# KiCad board Keyboard.kicad_pcb
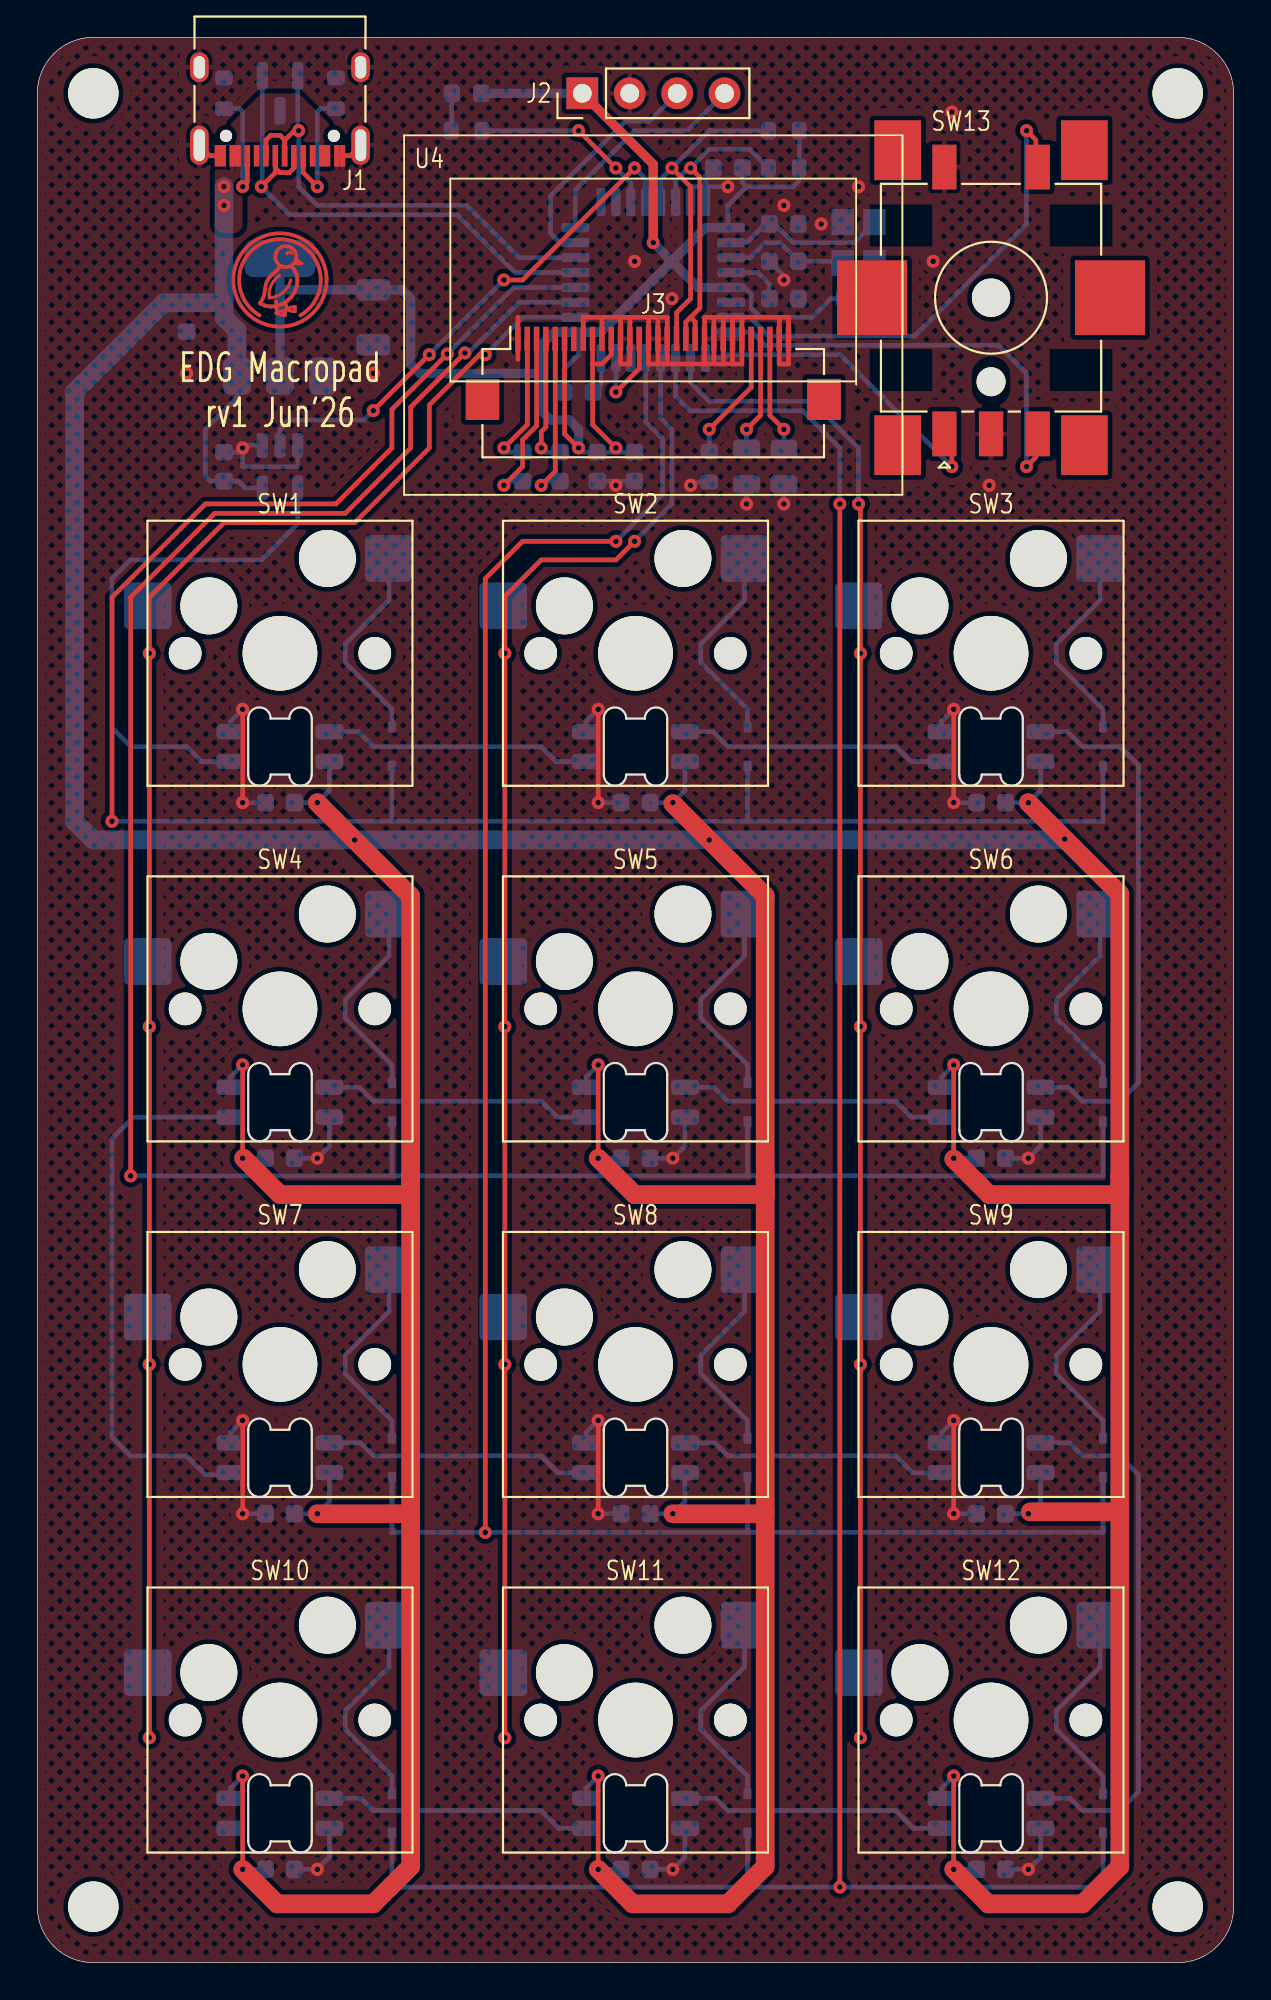
[diagram p0: board, top side]
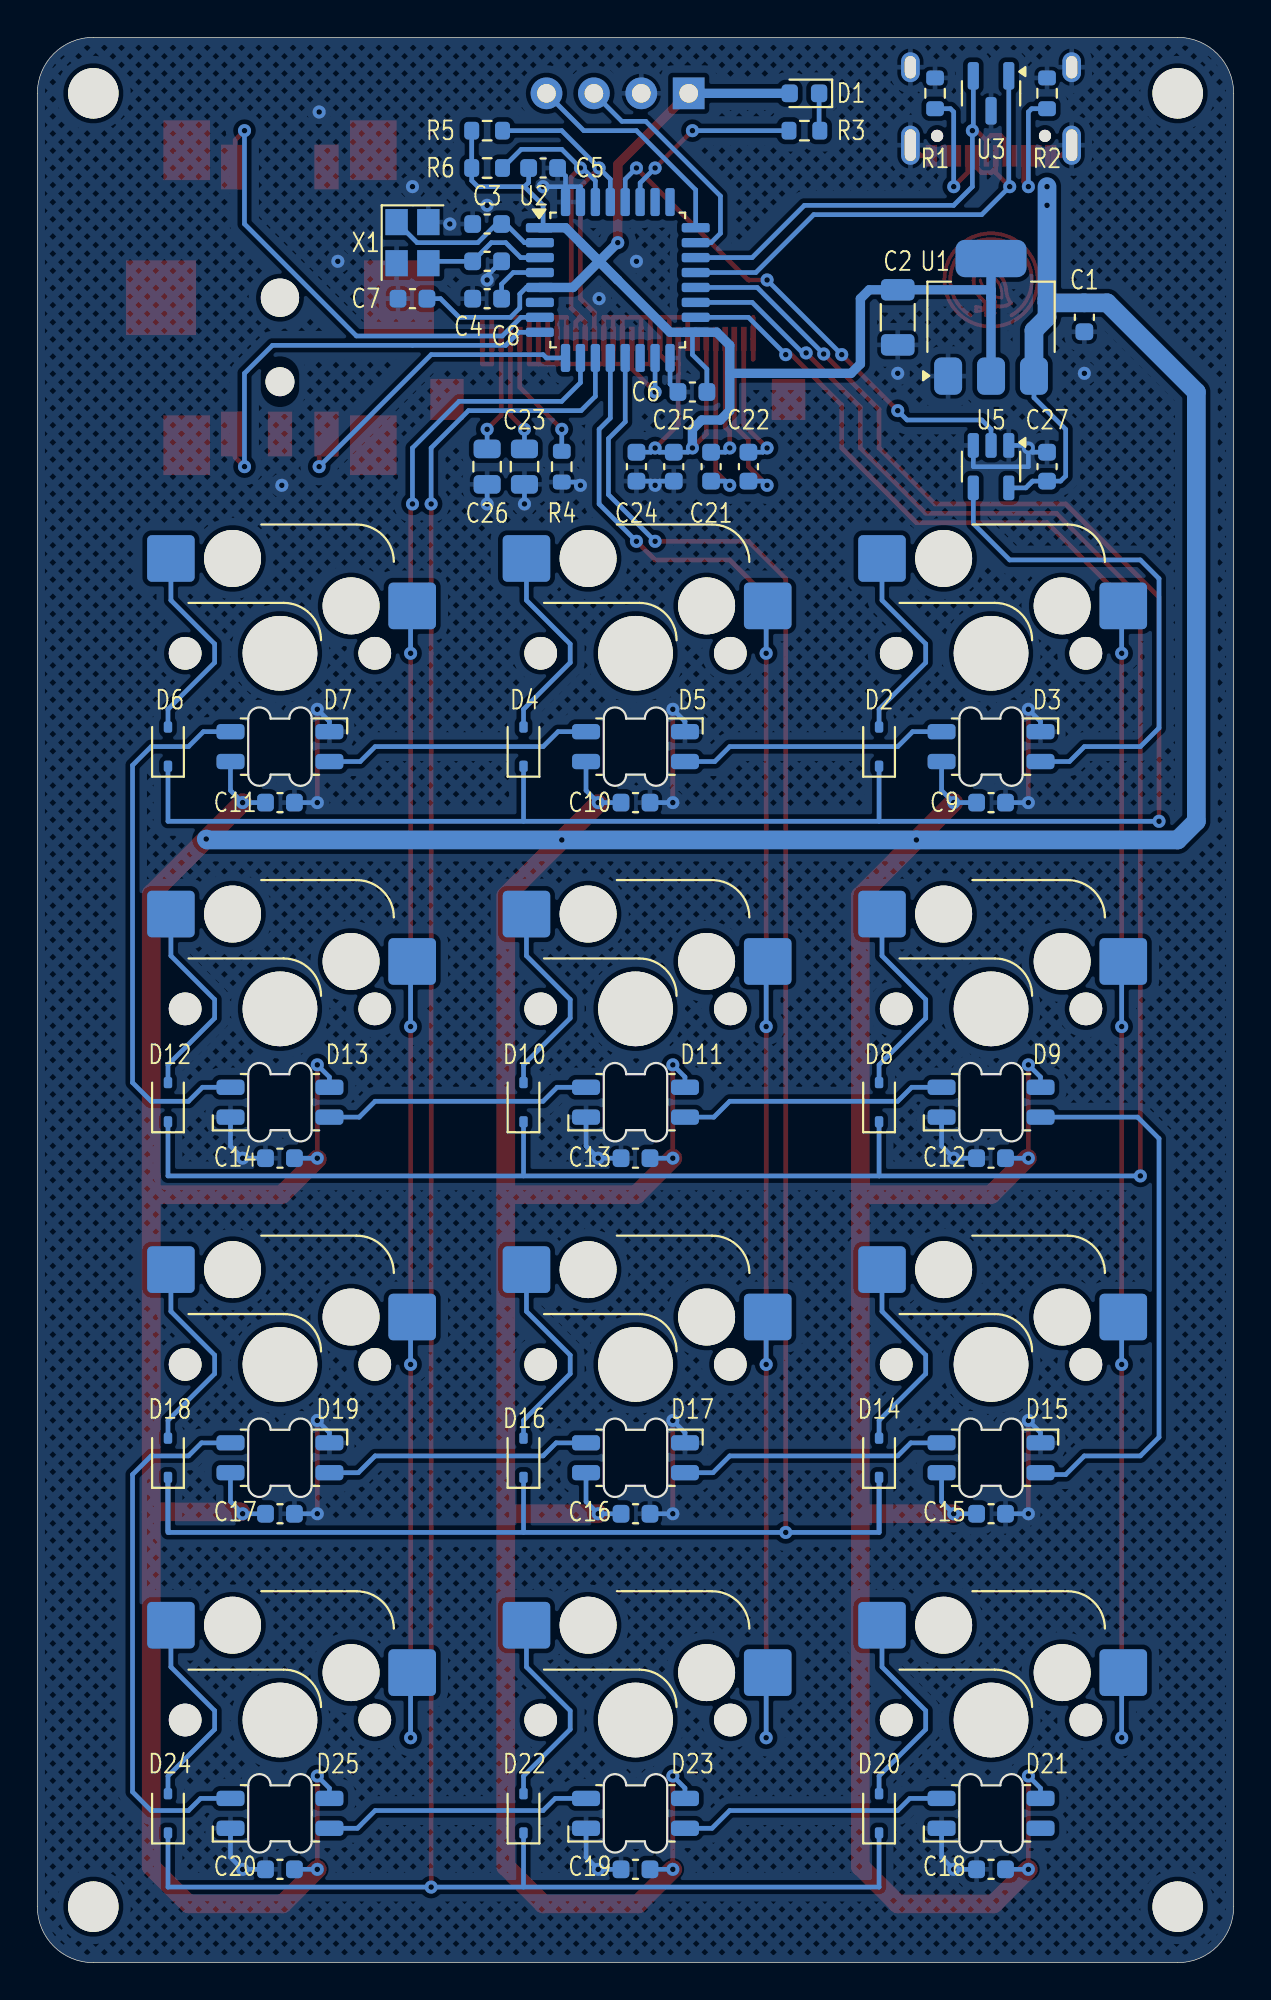
[diagram p1: board, bottom side, seen from below]

Outline 64.1 x 103.15 mm; copper layers: Front, Back. Coordinates in mm from the lower left corner of the outline.
Outline path: 0,100.15 0,3 arc(0.88,0.88) 3,0 61.1,0 arc(63.22,0.88) 64.1,3 64.1,100.15 arc(63.22,102.27) 61.1,103.15 3,103.15 arc(0.88,102.27) 0,100.15
Stack: Front 0.035mm / dielectric 1.51mm FR4 er 4.5 / Back 0.035mm

## Placement (name value [footprint] x y rotation side)
C1  reg.in_cap  [C_0603_1608Metric]  8 88.15 270 bottom
C2  reg.out_cap  [C_1206_3216Metric]  18 88.15 270 bottom
C3  mcu.crystal.cap_a  [C_0603_1608Metric]  40 93.15 0 bottom
C4  mcu.crystal.cap_b  [C_0603_1608Metric]  40 91.15 180 bottom
C5  mcu.vdd_cap[0]  [C_0603_1608Metric]  37 96.15 180 bottom
C6  mcu.vdd_cap[1]  [C_0603_1608Metric]  29 84.15 0 bottom
C7  mcu.vdda_cap  [C_0603_1608Metric]  44 89.15 0 bottom
C8  mcu.reset_cap  [C_0603_1608Metric]  40 89.15 0 bottom
C9  sw.sw[0,0].npx.cap  [C_0603_1608Metric]  13 62.15 180 bottom
C10  sw.sw[1,0].npx.cap  [C_0603_1608Metric]  32.05 62.15 180 bottom
C11  sw.sw[2,0].npx.cap  [C_0603_1608Metric]  51.1 62.15 180 bottom
C12  sw.sw[0,1].npx.cap  [C_0603_1608Metric]  13 43.1 0 bottom
C13  sw.sw[1,1].npx.cap  [C_0603_1608Metric]  32.05 43.1 0 bottom
C14  sw.sw[2,1].npx.cap  [C_0603_1608Metric]  51.1 43.1 0 bottom
C15  sw.sw[0,2].npx.cap  [C_0603_1608Metric]  13 24.05 180 bottom
C16  sw.sw[1,2].npx.cap  [C_0603_1608Metric]  32.05 24.05 180 bottom
C17  sw.sw[2,2].npx.cap  [C_0603_1608Metric]  51.1 24.05 180 bottom
C18  sw.sw[0,3].npx.cap  [C_0603_1608Metric]  13 5 0 bottom
C19  sw.sw[1,3].npx.cap  [C_0603_1608Metric]  32.05 5 0 bottom
C20  sw.sw[2,3].npx.cap  [C_0603_1608Metric]  51.1 5 0 bottom
C21  oled.c1_cap  [C_0603_1608Metric]  28 80.15 270 bottom
C22  oled.c2_cap  [C_0603_1608Metric]  26 80.15 270 bottom
C23  oled.vcomh_cap  [C_0805_2012Metric]  38 80.15 270 bottom
C24  oled.vdd_cap1  [C_0603_1608Metric]  32 80.15 270 bottom
C25  oled.vbat_cap  [C_0603_1608Metric]  30 80.15 270 bottom
C26  oled.vcc_cap  [C_0805_2012Metric]  40 80.15 270 bottom
C27  npx_shift.vdd_cap  [C_0603_1608Metric]  10 80.15 90 bottom
D1  ledr.package  [LED_0603_1608Metric]  23 100.15 0 bottom
D2  sw.sw[0,0].d  [D_SOD-323]  19 65.15 90 bottom
D3  sw.sw[0,0].npx.device  [LED_SK6812MINI-E]  13 65.15 180 top
D4  sw.sw[1,0].d  [D_SOD-323]  38.05 65.15 90 bottom
D5  sw.sw[1,0].npx.device  [LED_SK6812MINI-E]  32.05 65.15 180 top
D6  sw.sw[2,0].d  [D_SOD-323]  57.1 65.15 90 bottom
D7  sw.sw[2,0].npx.device  [LED_SK6812MINI-E]  51.1 65.15 180 top
D8  sw.sw[0,1].d  [D_SOD-323]  19 46.1 90 bottom
D9  sw.sw[0,1].npx.device  [LED_SK6812MINI-E]  13 46.1 0 top
D10  sw.sw[1,1].d  [D_SOD-323]  38.05 46.1 90 bottom
D11  sw.sw[1,1].npx.device  [LED_SK6812MINI-E]  32.05 46.1 0 top
D12  sw.sw[2,1].d  [D_SOD-323]  57.1 46.1 90 bottom
D13  sw.sw[2,1].npx.device  [LED_SK6812MINI-E]  51.1 46.1 0 top
D14  sw.sw[0,2].d  [D_SOD-323]  19 27.05 90 bottom
D15  sw.sw[0,2].npx.device  [LED_SK6812MINI-E]  13 27.05 180 top
D16  sw.sw[1,2].d  [D_SOD-323]  38.05 27.05 90 bottom
D17  sw.sw[1,2].npx.device  [LED_SK6812MINI-E]  32.05 27.05 180 top
D18  sw.sw[2,2].d  [D_SOD-323]  57.1 27.05 90 bottom
D19  sw.sw[2,2].npx.device  [LED_SK6812MINI-E]  51.1 27.05 180 top
D20  sw.sw[0,3].d  [D_SOD-323]  19 8 90 bottom
D21  sw.sw[0,3].npx.device  [LED_SK6812MINI-E]  13 8 0 top
D22  sw.sw[1,3].d  [D_SOD-323]  38.05 8 90 bottom
D23  sw.sw[1,3].npx.device  [LED_SK6812MINI-E]  32.05 8 0 top
D24  sw.sw[2,3].d  [D_SOD-323]  57.1 8 90 bottom
D25  sw.sw[2,3].npx.device  [LED_SK6812MINI-E]  51.1 8 0 top
duck  G***  [Symbol_Duckling]  13 90.15 0 top
J1  usb.conn  [USB_C_Receptacle_XKB_U262-16XN-4BVC11]  13 100.48 180 top
J2  mcu.sdi  [PinHeader_1x04_P2.54mm_Vertical]  29.2 100.15 90 top
J3  oled.device  [Hirose_FH12-30S-0.5SH_1x30-1MP_P0.50mm_Horizontal]  33 85.15 0 top
R1  usb.cc_pull.cc1  [R_0603_1608Metric]  16 100.15 270 bottom
R2  usb.cc_pull.cc2  [R_0603_1608Metric]  10 100.15 270 bottom
R3  ledr.res  [R_0603_1608Metric]  23 98.15 0 bottom
R4  oled.iref_res  [R_0603_1608Metric]  36 80.15 90 bottom
R5  i2c_pull.scl_res  [R_0603_1608Metric]  40 98.15 180 bottom
R6  i2c_pull.sda_res  [R_0603_1608Metric]  40 96.15 180 bottom
REF**  -  [MountingHole_2.7mm_M2.5]  3 3 90 top
REF**#2  -  [MountingHole_2.7mm_M2.5]  61.1 100.15 270 top
REF**#3  -  [MountingHole_2.7mm_M2.5]  3 100.15 0 top
REF**#4  -  [MountingHole_2.7mm_M2.5]  61.1 3 0 top
SW1  sw.sw[0,0].sw  [SW_Hotswap_Kailh_MX]  13 70.15 0 top
SW2  sw.sw[1,0].sw  [SW_Hotswap_Kailh_MX]  32.05 70.15 0 top
SW3  sw.sw[2,0].sw  [SW_Hotswap_Kailh_MX]  51.1 70.15 0 top
SW4  sw.sw[0,1].sw  [SW_Hotswap_Kailh_MX]  13 51.1 0 top
SW5  sw.sw[1,1].sw  [SW_Hotswap_Kailh_MX]  32.05 51.1 0 top
SW6  sw.sw[2,1].sw  [SW_Hotswap_Kailh_MX]  51.1 51.1 0 top
SW7  sw.sw[0,2].sw  [SW_Hotswap_Kailh_MX]  13 32.05 0 top
SW8  sw.sw[1,2].sw  [SW_Hotswap_Kailh_MX]  32.05 32.05 0 top
SW9  sw.sw[2,2].sw  [SW_Hotswap_Kailh_MX]  51.1 32.05 0 top
SW10  sw.sw[0,3].sw  [SW_Hotswap_Kailh_MX]  13 13 0 top
SW11  sw.sw[1,3].sw  [SW_Hotswap_Kailh_MX]  32.05 13 0 top
SW12  sw.sw[2,3].sw  [SW_Hotswap_Kailh_MX]  51.1 13 0 top
SW13  enc  [RotaryEncoder_Bourns_PEC11S]  51.1 89.2 90 top
U1  reg.ic  [SOT-223-3_TabPin2]  13 88.15 90 bottom
U2  mcu.ic  [LQFP-32_7x7mm_P0.8mm]  33 90.15 180 bottom
U3  usb_esd  [SOT-23]  13 100.15 270 bottom
U4  oled.lcd  [Lcd_Er_Oled0.96_1.1_Outline]  33 90.15 0 top
U5  npx_shift.ic  [SOT-23-5]  13 80.15 270 bottom
X1  mcu.crystal.package  [Crystal_SMD_3225-4Pin_3.2x2.5mm]  44 92.15 270 bottom

## Library data of the parts
C1 = -: edg_part: CC0603KRX7R9BB104 (YAGEO); edg_path: reg.in_cap.cap; edg_refdes: C1
C3 = -: edg_part: CL10C330JB8NNNC (Samsung Electro-Mechanics); edg_refdes: C9
C4 = -: edg_part: CL10C330JB8NNNC (Samsung Electro-Mechanics); edg_refdes: C10
J1 = -: edg_part: COM-15111 (Sparkfun); edg_refdes: J1
R1 = -: edg_part: 0603WAF5101T5E (UNI-ROYAL(Uniroyal Elec)); edg_path: usb.cc_pull.cc1.res; edg_refdes: R1
R2 = -: edg_part: 0603WAF5101T5E (UNI-ROYAL(Uniroyal Elec)); edg_path: usb.cc_pull.cc2.res; edg_refdes: R2
X1 = -: edg_part: X322512MSB4SI (Yangxing Tech); edg_refdes: X1

## Footprints (pads in the part's own frame, mm; a bottom-side part is the same pattern mirrored in y, then rotated)
C_0603_1608Metric
  rrect 0.9x0.95 smd: 1(-0.775,0) 2(0.775,0)
C_0805_2012Metric
  rrect 1x1.45 smd: 1(-0.95,0) 2(0.95,0)
C_1206_3216Metric
  rrect 1.15x1.8 smd: 1(-1.475,0) 2(1.475,0)
Crystal_SMD_3225-4Pin_3.2x2.5mm
  rect 1.4x1.2 smd: 1(-1.1,-0.85) 2(1.1,-0.85) 3(1.1,0.85) 4(-1.1,0.85)
D_SOD-323
  rrect 0.6x0.45 smd: 1(-1.05,0) 2(1.05,0)
Hirose_FH12-30S-0.5SH_1x30-1MP_P0.50mm_Horizontal
  rect 0.3x1.3 smd: 1(-7.25,1.85) 2(-6.75,1.85) 3(-6.25,1.85) 4(-5.75,1.85) 5(-5.25,1.85) 6(-4.75,1.85) 7(-4.25,1.85) 8(-3.75,1.85) 9(-3.25,1.85) 10(-2.75,1.85) 11(-2.25,1.85) 12(-1.75,1.85) 13(-1.25,1.85) 14(-0.75,1.85) 15(-0.25,1.85) 16(0.25,1.85) 17(0.75,1.85) 18(1.25,1.85) 19(1.75,1.85) 20(2.25,1.85) 21(2.75,1.85) 22(3.25,1.85) 23(3.75,1.85) 24(4.25,1.85) 25(4.75,1.85) 26(5.25,1.85) 27(5.75,1.85) 28(6.25,1.85) 29(6.75,1.85) 30(7.25,1.85)
  rect 1.8x2.2 smd: MP(-9.15,-1.4) MP(9.15,-1.4)
LED_0603_1608Metric
  rrect 0.875x0.95 smd: 1(-0.787,0) 2(0.787,0)
LED_SK6812MINI-E
  rrect 1.5x0.82 smd far side: 1(-2.65,0.8) 2(-2.65,-0.8) 3(2.65,-0.8) 4(2.65,0.8)
LQFP-32_7x7mm_P0.8mm
  rrect 1.5x0.5 smd: 1(-4.175,2.8) 2(-4.175,2) 3(-4.175,1.2) 4(-4.175,0.4) 5(-4.175,-0.4) 6(-4.175,-1.2) 7(-4.175,-2) 8(-4.175,-2.8) 17(4.175,-2.8) 18(4.175,-2) 19(4.175,-1.2) 20(4.175,-0.4) 21(4.175,0.4) 22(4.175,1.2) 23(4.175,2) 24(4.175,2.8)
  rrect 0.5x1.5 smd: 9(-2.8,-4.175) 10(-2,-4.175) 11(-1.2,-4.175) 12(-0.4,-4.175) 13(0.4,-4.175) 14(1.2,-4.175) 15(2,-4.175) 16(2.8,-4.175) 25(2.8,4.175) 26(2,4.175) 27(1.2,4.175) 28(0.4,4.175) 29(-0.4,4.175) 30(-1.2,4.175) 31(-2,4.175) 32(-2.8,4.175)
MountingHole_2.7mm_M2.5
  round 2.7 hole 2.7 unplated: (0,0)
PinHeader_1x04_P2.54mm_Vertical
  rect 1.7x1.7 hole 1: 1(0,0)
  oval 1.7x1.7 hole 1: 2(0,-2.54) 3(0,-5.08) 4(0,-7.62)
R_0603_1608Metric
  rrect 0.8x0.95 smd: 1(-0.825,0) 2(0.825,0)
RotaryEncoder_Bourns_PEC11S
  round 1.55 hole 2.2x1.55 unplated: (-4.5,0)
  round 2.05 hole 2.05 unplated: (0,0)
  rect 2.4x1.3 smd: A(-7.3,2.5) B(-7.3,-2.5) C(-7.3,0) S1(7,-2.5) S2(7,2.5)
  rect 3.2x2.5 smd: MP(-7.9,5) MP(-7.9,-5) MP(7.9,5) MP(7.9,-5)
  rect 4x3.75 smd: MP(0,6.375) MP(0,-6.375)
SOT-23
  rrect 1.475x0.6 smd: 1(-0.938,0.95) 2(-0.938,-0.95) 3(0.938,0)
SOT-23-5
  rrect 1.325x0.6 smd: 1(-1.137,0.95) 2(-1.137,0) 3(-1.137,-0.95) 4(1.137,-0.95) 5(1.137,0.95)
SOT-223-3_TabPin2
  rrect 2x1.5 smd: 1(-3.15,2.3) 2(-3.15,0) 3(-3.15,-2.3)
  rrect 2x3.8 smd: 2(3.15,0)
SW_Hotswap_Kailh_MX
  round 1.75 hole 1.75 unplated: (-5.08,0) (5.08,0)
  round 3.05 hole 3.05 unplated: (-3.81,2.54) (2.54,5.08)
  round 4 hole 4 unplated: (0,0)
  rrect 2.55x2.5 smd far side: 1(-7.085,2.54) 2(5.842,5.08)
USB_C_Receptacle_XKB_U262-16XN-4BVC11
  round 0.65 hole 0.65 unplated: (-2.89,2.605) (2.89,2.605)
  rect 0.3x1.15 smd: A1(-3.35,3.67) A4(-2.55,3.67) A5(-1.25,3.67) A6(-0.25,3.67) A7(0.25,3.67) A8(1.25,3.67) A9(2.55,3.67) A12(3.35,3.67) B1(3.05,3.67) B4(2.25,3.67) B5(1.75,3.67) B6(0.75,3.67) B7(-0.75,3.67) B8(-1.75,3.67) B9(-2.25,3.67) B12(-3.05,3.67)
  oval 1x2.1 hole 0.6x1.7: S1(-4.32,3.105) S1(4.32,3.105)
  oval 1x1.6 hole 0.6x1.2: S1(-4.32,-1.075) S1(4.32,-1.075)

## Nets
enc.a: SW13.A U2.9
enc.b: SW13.B U2.8
enc.sw: SW13.S1 U2.7
ledr.package.k: D1.1 R3.1
ledr.signal: R3.2 U2.27
mcu.gpio.sw_col_0: SW1.1 SW4.1 SW7.1 SW10.1 U2.18
mcu.gpio.sw_col_1: SW2.1 SW5.1 SW8.1 SW11.1 U2.12
mcu.gpio.sw_col_2: SW3.1 SW6.1 SW9.1 SW12.1 U2.10
mcu.gpio.sw_row_0: D2.1 D4.1 D6.1 U2.20
mcu.gpio.sw_row_1: D8.1 D10.1 D12.1 U2.19
mcu.gpio.sw_row_2: D14.1 D16.1 D18.1 U2.13
mcu.gpio.sw_row_3: D20.1 D22.1 D24.1 U2.11
mcu.ic.nrst: C8.1 U2.4
mcu.ic.swclk: J2.4 U2.24
mcu.ic.swdio: J2.3 U2.23
mcu.xtal_node.xi: C3.1 U2.2 X1.1
mcu.xtal_node.xo: C4.1 U2.3 X1.3
npx_shift.input: U2.28 U5.2
oled.device.c1n: C21.2 J3.5
oled.device.c1p: C21.1 J3.4
oled.device.c2n: C22.2 J3.3
oled.device.c2p: C22.1 J3.2
oled.device.iref: J3.26 R4.2
oled.device.vcc: C26.1 J3.28
oled.device.vcomh: C23.1 J3.27
oled.i2c.scl: J3.18 R5.2 U2.29
oled.i2c.sda: J3.19 J3.20 R6.2 U2.30
oled.reset: J3.14 U2.15
reg.pwr_out: C2.1 C5.1 C6.1 C7.1 C24.1 C25.1 D1.2 J2.1 J3.6 J3.9 J3.11 R5.1 R6.1 U1.2 U2.1 U2.5 U2.17
sw.npx_din: D3.4 U5.4
sw.npx_dout: D21.2
sw.sw[0,0].npx_dout: D3.2 D5.4
sw.sw[0,0].sw.com: D2.2 SW1.2
sw.sw[0,1].npx_din: D9.4 D11.2
sw.sw[0,1].npx_dout: D9.2 D15.4
sw.sw[0,1].sw.com: D8.2 SW4.2
sw.sw[0,2].npx_dout: D15.2 D17.4
sw.sw[0,2].sw.com: D14.2 SW7.2
sw.sw[0,3].npx_din: D21.4 D23.2
sw.sw[0,3].sw.com: D20.2 SW10.2
sw.sw[1,0].npx_dout: D5.2 D7.4
sw.sw[1,0].sw.com: D4.2 SW2.2
sw.sw[1,1].npx_din: D11.4 D13.2
sw.sw[1,1].sw.com: D10.2 SW5.2
sw.sw[1,2].npx_dout: D17.2 D19.4
sw.sw[1,2].sw.com: D16.2 SW8.2
sw.sw[1,3].npx_din: D23.4 D25.2
sw.sw[1,3].sw.com: D22.2 SW11.2
sw.sw[2,0].npx_dout: D7.2 D13.4
sw.sw[2,0].sw.com: D6.2 SW3.2
sw.sw[2,1].sw.com: D12.2 SW6.2
sw.sw[2,2].npx_dout: D19.2 D25.4
sw.sw[2,2].sw.com: D18.2 SW9.2
sw.sw[2,3].sw.com: D24.2 SW12.2
usb.conn.cc.cc1: J1.A5 R1.2
usb.conn.cc.cc2: J1.B5 R2.2
usb.gnd: C1.2 C2.2 C3.2 C4.2 C5.2 C6.2 C7.2 C8.2 C9.2 C10.2 C11.2 C12.2 C13.2 C14.2 C15.2 C16.2 C17.2 C18.2 C19.2 C20.2 C23.2 C24.2 C25.2 C26.2 C27.2 D3.3 D5.3 D7.3 D9.3 D11.3 D13.3 D15.3 D17.3 D19.3 D21.3 D23.3 D25.3 J1.A1 J1.A12 J1.B1 J1.B12 J1.S1 J2.2 J3.1 J3.8 J3.10 J3.12 J3.13 J3.15 J3.16 J3.17 J3.21 J3.22 J3.23 J3.24 J3.25 J3.29 J3.30 R1.1 R2.1 R4.1 SW13.C SW13.S2 U1.1 U2.16 U2.31 U2.32 U3.3 U5.1 U5.3 X1.2 X1.4
usb.pwr: C1.1 C9.1 C10.1 C11.1 C12.1 C13.1 C14.1 C15.1 C16.1 C17.1 C18.1 C19.1 C20.1 C27.1 D3.1 D5.1 D7.1 D9.1 D11.1 D13.1 D15.1 D17.1 D19.1 D21.1 D23.1 D25.1 J1.A4 J1.A9 J1.B4 J1.B9 U1.3 U5.5
usb.usb.dm: J1.A7 J1.B7 U2.21 U3.1
usb.usb.dp: J1.A6 J1.B6 U2.22 U3.2

Pads without a net: J1 A8 B8; J3 7 MP; SW13 MP; U2 6 14 25 26

## Via types
v1: diameter 0.7, hole 0.3, Front to Back, 107 vias

## Routing (per net, layer and track width the routed paths; a pad name or vN(x,y) marks a point on that pad's centre or on a via; arc(x,y) is an arc through that point)
enc.a: length 17.7
  Front w0.25: v1(49,80.15) 49,81.5 SW13.A
  Back w0.25: v1(49,80.15) 43,86.15 37,86.15 36.83,85.98 U2.9
enc.b: length 22.9
  Front w0.25: 53.5,81.15 53.5,80.65 v1(53,80.15)
  Back w0.25: v1(53,80.15) 53,85.15 51.5,86.65 39,86.65 38.3,87.35 U2.8
enc.sw: length 24.9
  Front w0.25: 53.5,97.15 53.5,97.65 v1(53,98.15)
  Back w0.25: U2.7 38.18,88.15 39.18,87.15 47,87.15 53,93.15 v1(53,98.15)
ledr.package.k: length 2
  Back w0.25: D1.1 22.21,98.19 R3.1
ledr.signal: length 10.2
  Front w0.25: v1(31,96.15) v1(29,98.15)
  Back w0.25: v1(31,96.15) 31.8,95.35 U2.27 ; v1(29,98.15) R3.2
mcu.gpio.sw_col_0: length 107.8
  Front w0.25: 6,36.15 v1(6,70.15) 6,73.15 10,77.15 17,77.15 21,81.15 21,83.45 23.7,86.15 v1(24,86.15) ; 6,36.15 v1(6,12.05) ; 6,36.15 v1(6,32.05)
  Back w0.25: SW4.1 6,53.56 v1(6,50.15) ; v1(6,70.15) 6,72.15 5.92,72.23 SW1.1 ; U2.18 26,88.15 v1(24,86.15) ; v1(6,32.05) 6,34.05 5.92,34.14 SW7.1 ; v1(6,12.05) 6,15.46 SW10.1
mcu.gpio.sw_col_1: length 96.5
  Front w0.25: v1(32,76.15) 31,75.15 27,75.15 25.05,73.2 v1(25.05,70.15) 25.05,36.15 ; 25.05,36.15 v1(25.05,32.05) ; 25.05,36.15 v1(25.05,12.05)
  Back w0.25: SW8.1 24.97,34.14 25.05,34.05 v1(25.05,32.05) ; v1(25.05,12.05) 25.05,15.46 SW11.1 ; SW2.1 24.97,72.23 25.05,72.15 v1(25.05,70.15) ; v1(32,76.15) 34,78.15 34,82.15 33.4,82.75 U2.12 ; v1(25.05,50.15) 25.05,53.56 SW5.1
mcu.gpio.sw_col_2: length 94.2
  Front w0.25: v1(44,78.15) 44.1,78.05 v1(44.1,70.15) 44.1,33.15 ; 44.1,33.15 v1(44.1,32.05) ; 44.1,33.15 v1(44.1,12.05)
  Back w0.25: v1(44.1,32.05) 44.1,34.05 44.01,34.14 SW9.1 ; SW12.1 44.1,15.46 v1(44.1,12.05) ; SW3.1 44.01,72.23 44.1,72.15 v1(44.1,70.15) ; v1(44,78.15) 44,81.15 41.5,83.65 36,83.65 35,84.65 U2.10 ; SW6.1 44.1,53.56 v1(44.1,50.15)
mcu.gpio.sw_row_0: length 106.9
  Front w0.25: v1(4,61.15) 4,73.15 9,78.15 16,78.15 19,81.15 19,83.22 v1(21.97,86.18)
  Back w0.25: D4.1 38.05,61.15 ; D2.1 19,61.15 ; 19,61.15 57.1,61.15 D6.1 ; 19,61.15 v1(4,61.15) ; v1(21.97,86.18) 25.53,89.75 U2.20
mcu.gpio.sw_row_1: length 123.4
  Front w0.25: v1(5,42.15) 5,73.15 9.5,77.65 16.5,77.65 20,81.15 20,83.33 v1(22.91,86.24)
  Back w0.25: D10.1 38.05,42.15 ; 19,42.15 57.1,42.15 D12.1 ; 19,42.15 D8.1 ; 19,42.15 v1(5,42.15) ; U2.19 25.8,88.95 23.09,86.24 v1(22.91,86.24)
mcu.gpio.sw_row_2: length 123.1
  Front w0.25: v1(24,23.05) 24,74.15 26,76.15 v1(31,76.15)
  Back w0.25: v1(31,76.15) 33.5,78.65 33.5,81.65 32.6,82.55 U2.13 ; 57.1,23.15 D18.1 57.1,23.05 57.1,23.15 ; 57.1,23.15 57,23.05 19,23.05 ; 19,23.05 D14.1 19,23.05 ; D16.1 38.05,23.05
mcu.gpio.sw_row_3: length 135.9
  Front w0.25: v1(43,4.05) v1(43,78.15)
  Back w0.25: D24.1 57.1,4.05 19,4.05 D20.1 ; U2.11 34.2,83.92 34.97,83.15 41,83.15 43,81.15 v1(43,78.15) ; D22.1 38.05,4.05
mcu.ic.nrst: length 3.1
  Back w0.25: U2.4 38.6,90.55 39.22,89.93 C8.1
mcu.ic.swclk: length 12.2
  Back w0.25: J2.4 34.82,98.15 32,98.15 28.83,94.98 U2.24
mcu.ic.swdio: length 12.6
  Back w0.25: U2.23 28,92.15 27.5,92.65 27.5,94.65 31.5,98.65 32.78,98.65 J2.3
mcu.xtal_node.xi: length 9
  Back w0.25: X1.1 43.75,92.15 40.5,92.15 39.5,93.15 C3.1 39,93.15 38,92.15 U2.2
mcu.xtal_node.xo: length 6.8
  Back w0.25: X1.3 43.05,91.15 C4.1 39.78,92.15 39,92.15 38.2,91.35 U2.3
npx_shift.input: length 27.7
  Front w0.25: v1(21,86.15) v1(18,83.15) ; v1(25,90.15) 26,90.15 v1(32,96.15)
  Back w0.25: U2.28 32.6,95.55 v1(32,96.15) ; v1(18,83.15) 17.5,82.65 13.5,82.65 13,82.15 U5.2 ; v1(25,90.15) v1(21,86.15)
oled.device.c1n: length 9.3
  Front w0.25: v1(27,79.15) 27.75,79.9 J3.5
  Back w0.25: v1(27,79.15) 27.22,79.38 C21.2
oled.device.c1p: length 7
  Front w0.25: v1(27,81.15) 27,82.02 27.25,82.27 J3.4
  Back w0.25: v1(27,81.15) 27.22,80.93 C21.1
oled.device.c2n: length 9.7
  Front w0.25: J3.3 26.75,82.33 26,81.58 26,80.15 v1(25,79.15)
  Back w0.25: C22.2 25.22,79.38 v1(25,79.15)
oled.device.c2p: length 7.5
  Front w0.25: J3.2 26.25,82.4 v1(25,81.15)
  Back w0.25: C22.1 25.22,80.93 v1(25,81.15)
oled.device.iref: length 7
  Front w0.25: J3.26 38.25,84.4 v1(36,82.15)
  Back w0.25: v1(36,82.15) R4.2
oled.device.vcc: length 6.2
  Front w0.25: J3.28 39.25,82.9 v1(40,82.15)
  Back w0.25: C26.1 v1(40,82.15)
oled.device.vcomh: length 6.2
  Front w0.25: J3.27 38.75,82.9 v1(38,82.15)
  Back w0.25: C23.1 v1(38,82.15)
oled.i2c.scl: length 18
  Front w0.25: v1(34,96.15) 35,95.15 35,89.15 34.25,88.4 J3.18
  Back w0.25: R5.2 36,98.15 v1(34,96.15) 33.4,95.55 U2.29
oled.i2c.sda: length 18.1
  Front w0.25: J3.19 34.75,87.9 35,88.15 ; J3.20 35.25,87.9 35,88.15 ; v1(35,96.15) 35.5,95.65 35.5,88.65 35,88.15
  Back w0.25: R6.2 38.17,97.15 36,97.15 v1(35,96.15) 34.89,96.15 34.2,95.46 U2.30
oled.reset: length 5.2
  Front w0.25: v1(31,84.15) 32.25,85.4 J3.14
  Back w0.25: U2.15 v1(31,84.15)
reg.pwr_out: length 105.3
  Front w0.25: J3.9 29.75,85.65 ; 29.75,85.65 30.25,85.65 30.75,86.15 J3.11 ; 29.75,85.65 29.75,82.4 v1(31,81.15) ; J3.6 28.25,81.9 v1(29,81.15)
  Front w0.5: v1(33,92.15) 33,96.35 J2.1
  Back w0.25: C6.1 28.22,85.38 29,86.15 29,87.15 ; U2.5 37.9,89.75 38.25,89.4 38.25,88.65 38.75,88.15 41.5,88.15 42.5,89.15 C7.1 ; C24.1 31.22,80.93 v1(31,81.15) 30.78,80.93 C25.1 29.22,80.93 v1(29,81.15) ; 37,93.15 37,94.15 38,95.15 ; 38,95.15 40.5,95.15 40.83,95.48 R6.1 R5.1 ; 38,95.15 37.78,95.38 C5.1
  Back w0.5: 27,85.15 27,86.65 27.7,87.35 U2.17 30.2,87.35 33,90.15 ; 27,85.15 27,83.15 27.5,82.65 28.5,82.65 29,82.15 v1(29,81.15) ; 27,85.15 20.5,85.15 20,85.65 20,89.15 19.53,89.62 C2.1 13,89.62 13,89.15 ; U1.2 13,89.15 ; 13,89.15 U1.2 ; 34,91.15 v1(33,92.15) ; 34,91.15 35.4,89.75 U2.5 ; 34,91.15 33,90.15 ; 34,91.15 35,92.15 ; J2.1 D1.2 ; 33,90.15 35,92.15 ; 35,92.15 35.8,92.95 U2.1
sw.npx_din: length 28.2
  Back w0.25: D3.4 8.8,64.35 8,65.15 5,65.15 4,66.15 4,74.15 5,75.15 12,75.15 13.95,77.1 U5.4
sw.sw[0,0].npx_dout: length 14.4
  Back w0.25: D3.2 17.2,65.95 18,65.15 27,65.15 27.8,64.35 D5.4
sw.sw[0,0].sw.com: length 11
  Back w0.25: D2.2 19,67.15 16.5,69.65 16.5,70.65 18.84,72.99 SW1.2
sw.sw[0,1].npx_din: length 14.4
  Back w0.25: D9.4 17.25,46.9 18,46.15 27,46.15 27.85,45.3 D11.2
sw.sw[0,1].npx_dout: length 30
  Back w0.25: D15.4 10.25,26.15 9,26.15 8,27.15 5,27.15 4,28.15 4,44.15 5.15,45.3 D9.2
sw.sw[0,1].sw.com: length 11
  Back w0.25: D8.2 19,48.1 16.5,50.6 16.5,51.6 18.84,53.94 SW4.2
sw.sw[0,2].npx_dout: length 14.4
  Back w0.25: D15.2 17.3,27.85 18,27.15 27,27.15 27.9,26.25 D17.4
sw.sw[0,2].sw.com: length 11
  Back w0.25: SW7.2 18.84,34.89 16.5,32.55 16.5,31.55 19,29.05 D14.2
sw.sw[0,3].npx_din: length 14.4
  Back w0.25: D21.4 17.35,8.8 18,8.15 27,8.15 27.95,7.2 D23.2
sw.sw[0,3].sw.com: length 11
  Back w0.25: D20.2 19,10 16.5,12.5 16.5,13.5 18.84,15.84 SW10.2
sw.sw[1,0].npx_dout: length 14.4
  Back w0.25: D5.2 36.2,65.95 37,65.15 46,65.15 46.8,64.35 D7.4
sw.sw[1,0].sw.com: length 11
  Back w0.25: D4.2 38.05,67.15 35.55,69.65 35.55,70.65 37.89,72.99 SW2.2
sw.sw[1,1].npx_din: length 14.4
  Back w0.25: D13.2 46.85,45.3 46,46.15 37,46.15 36.25,46.9 D11.4
sw.sw[1,1].sw.com: length 11
  Back w0.25: SW5.2 37.89,53.94 35.55,51.6 35.55,50.6 38.05,48.1 D10.2
sw.sw[1,2].npx_dout: length 14.4
  Back w0.25: D19.4 46.9,26.25 46,27.15 37,27.15 36.3,27.85 D17.2
sw.sw[1,2].sw.com: length 11
  Back w0.25: SW8.2 37.89,34.89 35.55,32.55 35.55,31.55 38.05,29.05 D16.2
sw.sw[1,3].npx_din: length 14.4
  Back w0.25: D23.4 36.35,8.8 37,8.15 46,8.15 46.95,7.2 D25.2
sw.sw[1,3].sw.com: length 11
  Back w0.25: D22.2 38.05,10 35.55,12.5 35.55,13.5 37.89,15.84 SW11.2
sw.sw[2,0].npx_dout: length 29
  Back w0.25: D13.4 55.25,46.9 56,46.15 58,46.15 59,47.15 59,64.15 58,65.15 56,65.15 55.2,65.95 D7.2
sw.sw[2,0].sw.com: length 11
  Back w0.25: SW3.2 56.94,72.99 54.6,70.65 54.6,69.65 57.1,67.15 D6.2
sw.sw[2,1].sw.com: length 11
  Back w0.25: SW6.2 56.94,53.94 54.6,51.6 54.6,50.6 57.1,48.1 D12.2
sw.sw[2,2].npx_dout: length 28.9
  Back w0.25: D25.4 55.35,8.8 56,8.15 58,8.15 59,9.15 59,26.15 58,27.15 56,27.15 55.3,27.85 D19.2
sw.sw[2,2].sw.com: length 11
  Back w0.25: SW9.2 56.94,34.89 54.6,32.55 54.6,31.55 57.1,29.05 D18.2
sw.sw[2,3].sw.com: length 11
  Back w0.25: SW12.2 56.94,15.84 54.6,13.5 54.6,12.5 57.1,10 D24.2
usb.conn.cc.cc1: length 7
  Front w0.25: J1.A5 14.25,95.9 v1(15,95.15)
  Back w0.25: v1(15,95.15) 15,99.15 15.17,99.33 R1.2
usb.conn.cc.cc2: length 6.8
  Front w0.25: v1(11,95.15) 11.25,95.4 J1.B5
  Back w0.25: v1(11,95.15) 11,99.15 10.83,99.33 R2.2
usb.gnd: length 141.4
  Front w0.25: 37.75,88.15 J3.25 37.75,85.65 32.75,85.65 J3.15 32.75,88.15 ; v1(11,67.15) v1(11,62.15) ; 36.75,85.65 J3.23 36.75,88.15 ; J1.S1 9.25,96.81 J1.A12 ; 25.75,85.9 J3.1 25.75,88.15 ; 31.75,88.15 J3.13 31.75,85.65 31.25,85.65 J3.12 31.25,88.15 ; 33.25,85.65 J3.16 33.25,88.15 ; 33.75,85.65 J3.17 33.75,88.15 29.25,88.15 J3.8 ; 36.25,85.65 J3.22 36.25,88.15 ; v1(49.1,29.05) v1(49.1,24.05) ; v1(49.1,67.15) v1(49.1,62.15) ; J1.A1 16.75,96.81 J1.S1 ; 37.25,85.65 J3.24 37.25,88.15 ; 39.75,88.15 J3.29 39.75,85.65 40.25,85.65 J3.30 40.25,88.15 35.75,88.15 J3.21 35.75,85.65 ; v1(30.05,29.05) v1(30.05,24.05) ; v1(11,29.05) v1(11,24.05) ; v1(30.05,67.15) v1(30.05,62.15) ; J3.10 30.25,88.15
  Back w0.25: v1(30.05,29.05) 29.4,28.4 D17.3 ; U2.32 35.8,95.73 C5.2 ; U5.1 11.14,81.29 10.78,80.93 ; 10.78,80.93 C27.2 ; 10.78,80.93 v1(11,81.15) 11,80.15 13.95,80.15 U5.3 ; D9.3 15.65,43.75 v1(15,43.1) C12.2 ; D11.3 34.7,43.75 v1(34.05,43.1) C13.2 ; D15.3 10.35,28.4 v1(11,29.05) ; D23.3 34.7,5.65 v1(34.05,5) C19.2 ; R4.1 35.17,79.33 v1(35,79.15) ; C18.2 v1(15,5) 15.65,5.65 D21.3 ; C15.2 v1(11,24.05) ; D5.3 29.4,66.5 v1(30.05,67.15) ; U2.31 35,95.15 v1(37,95.15) ; v1(11,67.15) 10.35,66.5 D3.3 ; C23.2 v1(38,78.15) ; C6.2 30.2,84.58 U2.16 ; C26.2 v1(40,78.15) ; 31.28,62.15 v1(30.05,62.15) ; D25.3 53.75,5.65 v1(53.1,5) C20.2 ; v1(49.1,67.15) 48.45,66.5 D7.3 ; C11.2 v1(49.1,62.15) ; C9.2 v1(11,62.15) ; D13.3 53.75,43.75 v1(53.1,43.1) C14.2 ; D19.3 48.45,28.4 v1(49.1,29.05) ; C25.2 30.78,79.38 v1(31,79.15) 31.22,79.38 C24.2 ; C4.2 40,90.38 v1(40,90.15) ; C17.2 v1(49.1,24.05) ; 31.28,24.05 v1(30.05,24.05)
  vias: v1(8,85.15) v1(18,85.15) v1(32,91.15) v1(34,89.15) v1(40,94.15) v1(42,93.15) v1(44,95.15) v1(48,91.15) v1(49,99.15) v1(51,79.15)
usb.pwr: length 431.2
  Front w0.25: v1(11,10) v1(11,5) ; v1(30.05,10) v1(30.05,5) ; v1(49.1,10) v1(49.1,5) ; v1(11,48.1) v1(11,43.1) ; v1(49.1,48.1) v1(49.1,43.1) ; v1(30.05,48.1) v1(30.05,43.1)
  Front w0.5: v1(34.05,62.15) 34.05,62.1 ; 19.9,24.05 20,24.15 ; 38.9,24.05 39,24.15 ; v1(11,43.1) 11.05,43.1 ; v1(53.1,24.05) 53.2,24.15 ; v1(49.1,43.1) 49.1,43.05
  Front w1: 58,42.15 58,24.15 ; 58,42.15 58,57.25 v1(53.1,62.15) ; 58,42.15 58,41.15 51,41.15 49.1,43.05 ; 58,24.15 58,5.15 56,3.15 50.95,3.15 v1(49.1,5) ; 58,24.15 53.2,24.15 ; v1(30.05,43.1) 32,41.15 39,41.15 39,42.15 ; 20,42.15 20,5.15 18,3.15 12.85,3.15 v1(11,5) ; 20,42.15 20,57.15 v1(15,62.15) ; 20,42.15 20,41.15 13,41.15 11.05,43.1 ; v1(15,24.05) 19.9,24.05 ; v1(34.05,24.05) 38.9,24.05 ; 34.05,62.1 39,57.15 39,42.15 ; 39,42.15 39,5.15 37,3.15 31.9,3.15 v1(30.05,5)
  Back w0.25: D21.1 10.35,9.35 v1(11,10) ; 31.28,43.1 v1(30.05,43.1) ; D25.1 48.45,9.35 v1(49.1,10) ; C10.1 v1(34.05,62.15) 34.7,62.8 D5.1 ; U5.5 11.14,79.01 10.78,79.38 ; C14.1 v1(49.1,43.1) ; C17.1 v1(53.1,24.05) 53.75,24.7 D19.1 ; v1(30.05,10) 29.4,9.35 D23.1 ; D3.1 15.65,62.8 v1(15,62.15) C9.1 ; D11.1 29.4,47.45 v1(30.05,48.1) ; D15.1 15.65,24.7 v1(15,24.05) C15.1 ; C16.1 v1(34.05,24.05) 34.7,24.7 D17.1 ; 10.78,79.38 11,79.15 ; 10.78,79.38 C27.1 9.28,79.38 9,79.65 9,82.15 10.7,83.85 U1.3 ; C11.1 v1(53.1,62.15) 53.75,62.8 D7.1 ; C12.1 v1(11,43.1) ; D13.1 48.45,47.45 v1(49.1,48.1) ; C20.1 v1(49.1,5) ; 31.28,5 v1(30.05,5) ; v1(11,48.1) 10.35,47.45 D9.1 ; C18.1 v1(11,5)
  Back w1: 10,89.15 10,88.15 10.7,87.45 U1.3 ; 10,89.15 10,88.93 C1.1 6.78,88.93 2,84.15 2,61.15 3,60.15 v1(17,60.15) 55,60.15 v1(55.05,60.2) ; 10,89.15 v1(10,95.15)
  vias: v1(10,94.15) v1(36,60.15)
usb.usb.dm: length 29.2
  Front w0.25: J1.B7 13.75,96.15 13.5,95.9 13,95.9 12.75,96.15 J1.A7 12.75,95.9 v1(12,95.15)
  Back w0.25: U3.1 12.05,95.2 v1(12,95.15) 13.5,93.65 22.5,93.65 25.6,90.55 U2.21
usb.usb.dp: length 27
  Front w0.25: v1(14,98.15) 13.77,98.15 13.25,97.63 J1.A6 13.25,97.65 13,97.9 12.5,97.9 12.25,97.65 J1.B6
  Back w0.25: U3.2 13.95,98.2 v1(14,98.15) 14,95.15 15,94.15 23,94.15 25.8,91.35 U2.22

## Copper pours and planes (outline as drawn; the poured copper is in the pictures)
usb.gnd on Front, Back: -1,104.15 65,104.15 65,-0.85 -1,-0.85
usb.pwr on Front: 15.75,96.15 15.75,98.4 14,100.15 12,100.15 10.25,98.4 10.25,96.15
usb.pwr on Front: 9.5,96.65 11,96.65 11,92.65 9.5,92.65

## Text on the board
F.Silkscreen: EDG Macropad / rv1 Jun'26
